# Altium PCB 3LUN_v1.0.PcbDoc (part 1 of 2)
Units mil, origin at the board's own origin, x right, y up, seen from the top; angles counter-clockwise.
Board outline 3940 x 1580 mil, 2 copper layers (Top Layer, Bottom Layer); 129 components, 109 nets, 549 pads, 348 vias.
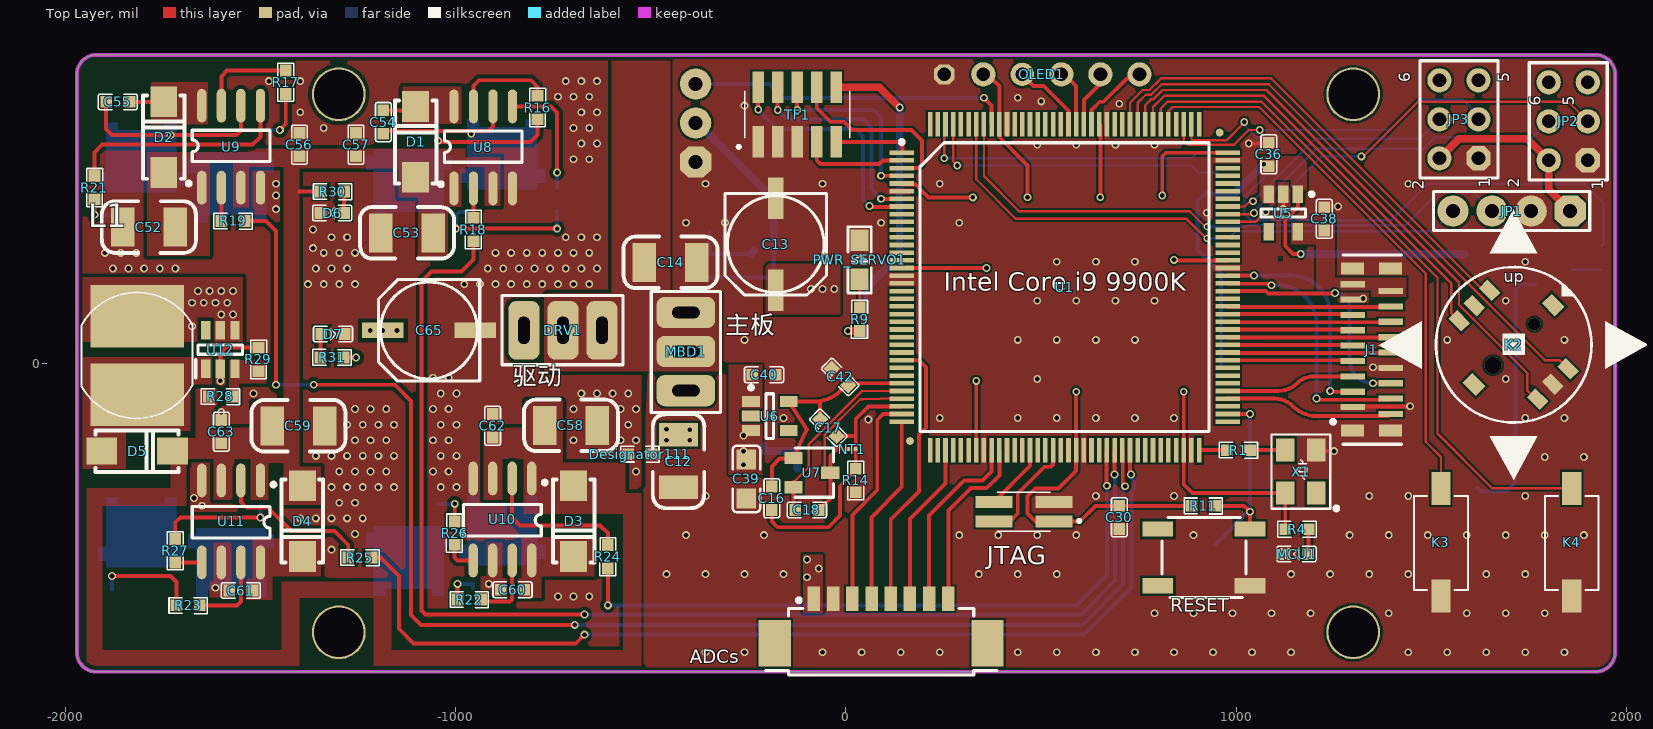
[diagram p0: Top Layer view]
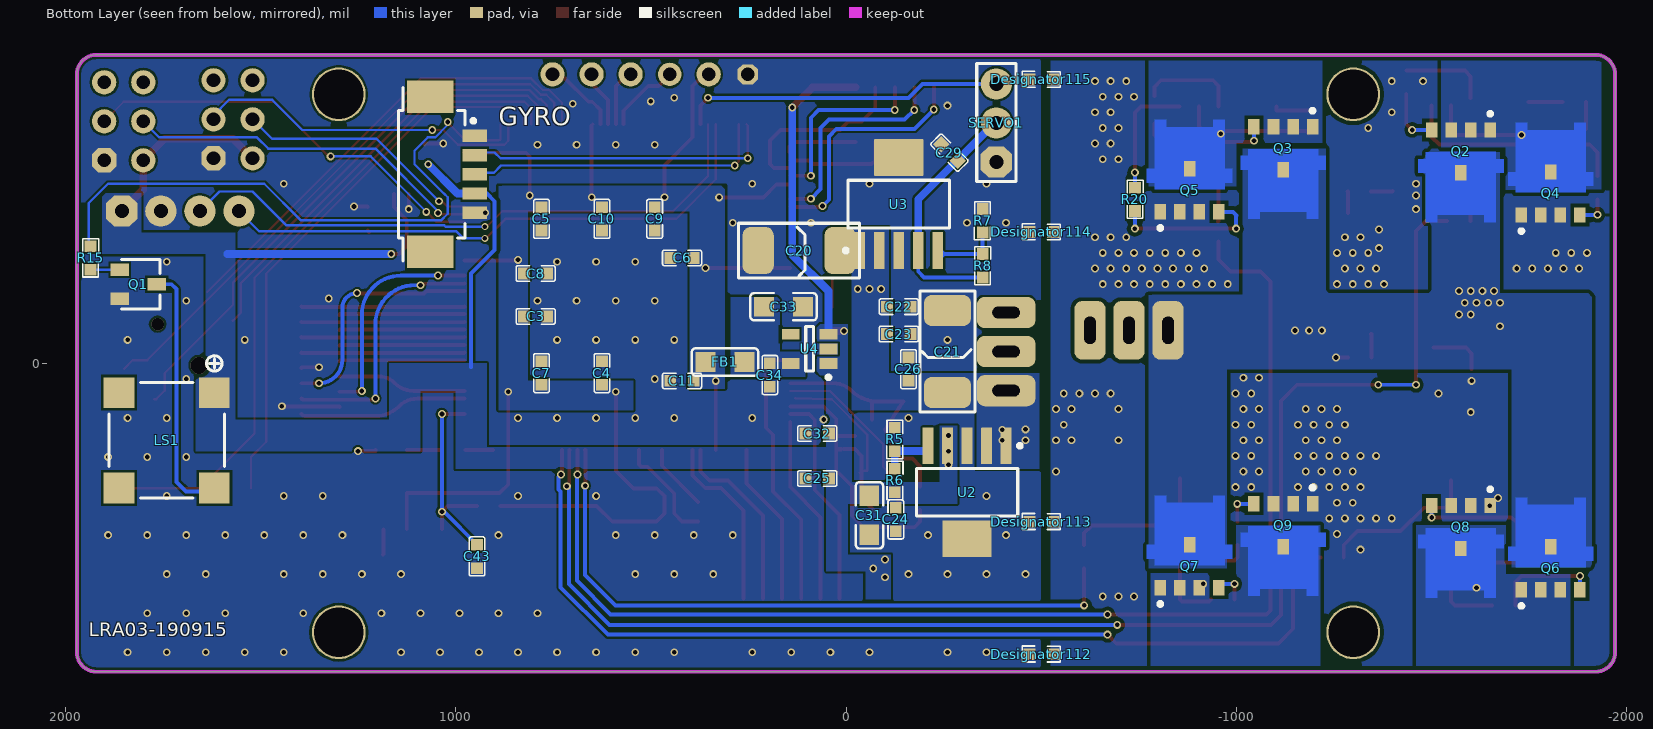
[diagram p1: Bottom Layer view, seen from below]
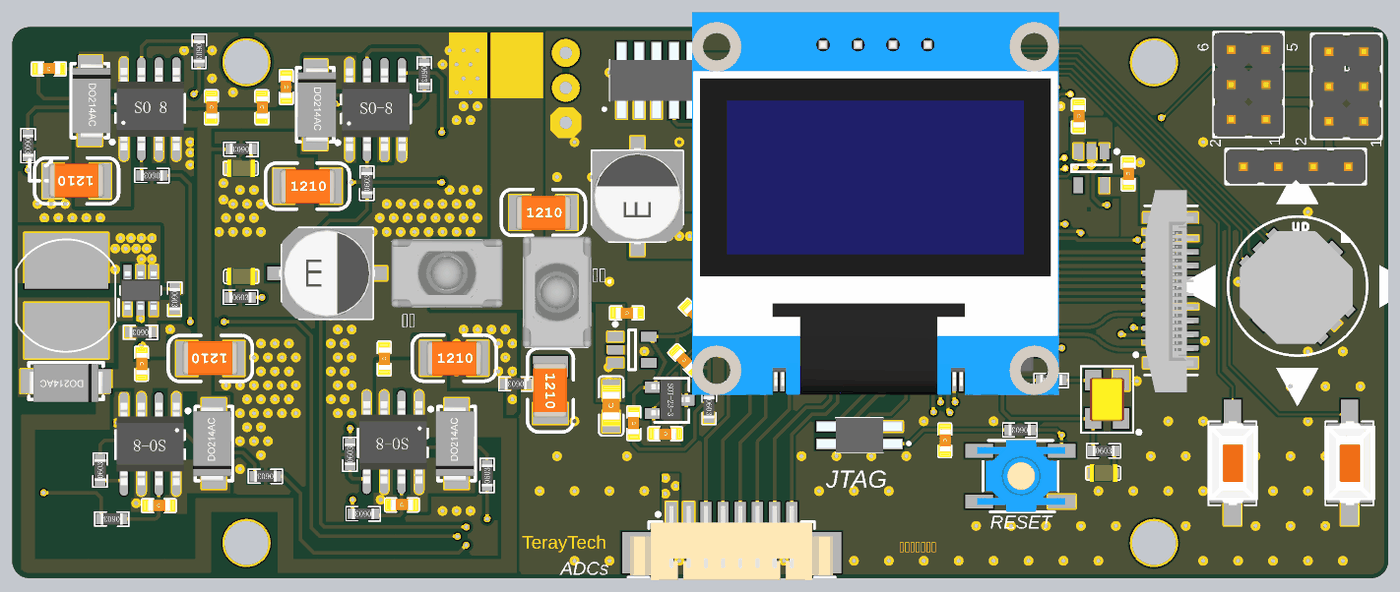
[diagram p3: 3D render of the assembled board from above, using the file's embedded part models]
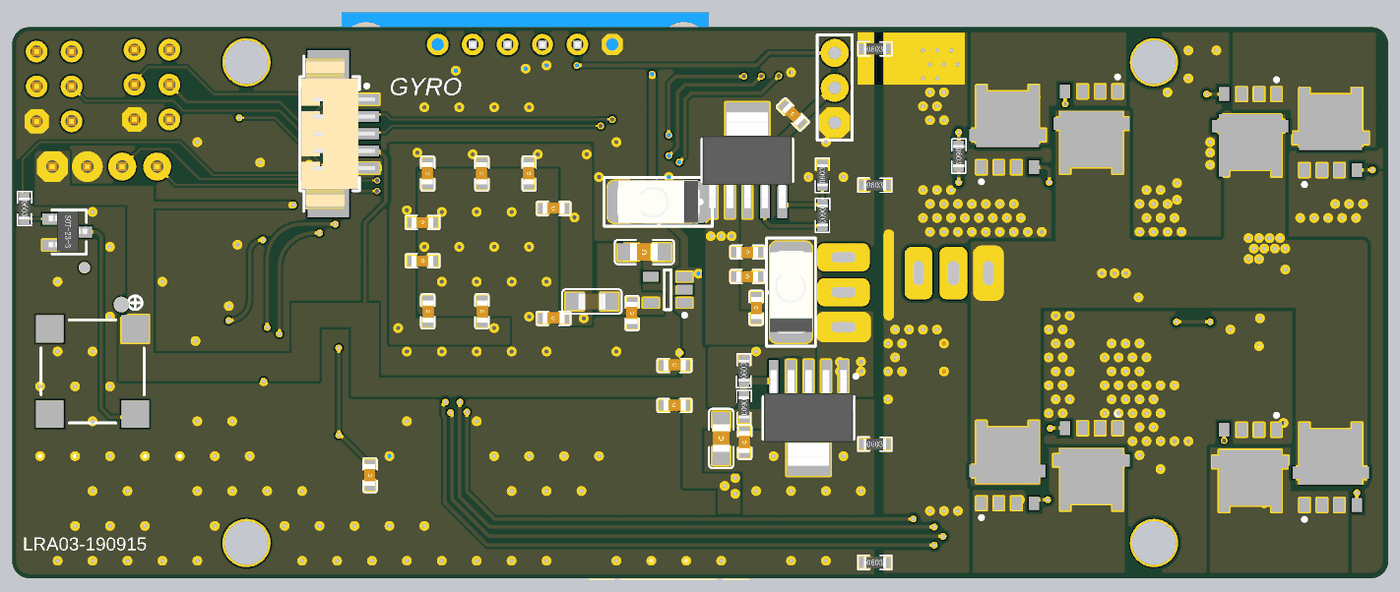
[diagram p4: 3D render of the assembled board from below, using the file's embedded part models]

## Layer stack, top to bottom
Top Solder: solder mask 0.4, Solder Resist, Dk 3.5
Top Layer: signal copper 1.4
Dielectric 1: dielectric 12.6, FR-4, Dk 4.8
Bottom Layer: signal copper 1.4
Bottom Solder: solder mask 0.4, Solder Resist, Dk 3.5

## Board outline
-1970,-740 -1970,740 cw(c-1920,740) -1920,790 1920,790 cw(c1920,740) 1970,740 1970,-740 cw(c1920,-740) 1920,-790 -1920,-790 cw(c-1920,-740)

## Design rules (kind name [scope] priority, off if disabled: settings)
Clearance "Schematic Clearance Constraint" [InNetClass('CL_CMOS')] p1: gap=6 ignorepadtopadclearanceinfootprint=FALSE except(0: Arc-Hole Track-Hole SMDPad-Hole THPad-Hole Via-Hole Fill-Hole Poly-Hole Region-Hole Text-Hole)
Clearance [All] p2: gap=6 ignorepadtopadclearanceinfootprint=FALSE except(0: Arc-Hole Track-Hole SMDPad-Hole THPad-Hole Via-Hole Fill-Hole Poly-Hole Region-Hole Text-Hole; 10: Arc-Fill Arc-Poly Arc-Region Track-Fill Track-Poly Track-Region SMDPad-Fill SMDPad-Poly SMDPad-Region THPad-Fill THPad-Poly THPad-Region Via-Fill Via-Poly Via-Region Fill-Fill Fill-Poly Fill-Region Poly-Poly Poly-Region Region-Region)
PolygonConnect "Schematic Polygon Connect Style" [InNetClass('CL_CMOS')] p1: connectstyle=Direct reliefconductorwidth=10 reliefentries=4 polygonreliefangle="45 Angle" airgapwidth=10
PolygonConnect [All] p2: connectstyle=Direct reliefconductorwidth=10 reliefentries=4 polygonreliefangle="90 Angle" airgapwidth=10
RoutingVias "Schematic Routing Via Style" [InNetClass('CL_CMOS')] p1: holewidth=12 width=20 viastyle="Through Hole" minholewidth=12 minwidth=20 maxholewidth=28 maxwidth=50
RoutingVias "Schematic Routing Via Style_13" [InNet('Y0')] p2: holewidth=12 width=20 viastyle="Through Hole" minholewidth=12 minwidth=20 maxholewidth=28 maxwidth=50
RoutingVias "Schematic Routing Via Style_12" [InNet('HREF')] p3: holewidth=12 width=20 viastyle="Through Hole" minholewidth=12 minwidth=20 maxholewidth=28 maxwidth=50
RoutingVias "Schematic Routing Via Style_11" [InNet('PLCK')] p4: holewidth=12 width=20 viastyle="Through Hole" minholewidth=12 minwidth=20 maxholewidth=28 maxwidth=50
RoutingVias "Schematic Routing Via Style_10" [InNet('SCL')] p5: holewidth=12 width=20 viastyle="Through Hole" minholewidth=12 minwidth=20 maxholewidth=28 maxwidth=50
RoutingVias "Schematic Routing Via Style_9" [InNet('SDA')] p6: holewidth=12 width=20 viastyle="Through Hole" minholewidth=12 minwidth=20 maxholewidth=28 maxwidth=50
RoutingVias "Schematic Routing Via Style_8" [InNet('VSYN')] p7: holewidth=12 width=20 viastyle="Through Hole" minholewidth=12 minwidth=20 maxholewidth=28 maxwidth=50
RoutingVias "Schematic Routing Via Style_7" [InNet('Y1')] p8: holewidth=12 width=20 viastyle="Through Hole" minholewidth=12 minwidth=20 maxholewidth=28 maxwidth=50
RoutingVias "Schematic Routing Via Style_6" [InNet('Y2')] p9: holewidth=12 width=20 viastyle="Through Hole" minholewidth=12 minwidth=20 maxholewidth=28 maxwidth=50
RoutingVias "Schematic Routing Via Style_5" [InNet('Y3')] p10: holewidth=12 width=20 viastyle="Through Hole" minholewidth=12 minwidth=20 maxholewidth=28 maxwidth=50
RoutingVias "Schematic Routing Via Style_4" [InNet('Y4')] p11: holewidth=12 width=20 viastyle="Through Hole" minholewidth=12 minwidth=20 maxholewidth=28 maxwidth=50
RoutingVias "Schematic Routing Via Style_3" [InNet('Y5')] p12: holewidth=12 width=20 viastyle="Through Hole" minholewidth=12 minwidth=20 maxholewidth=28 maxwidth=50
RoutingVias "Schematic Routing Via Style_2" [InNet('Y6')] p13: holewidth=12 width=20 viastyle="Through Hole" minholewidth=12 minwidth=20 maxholewidth=28 maxwidth=50
RoutingVias "Schematic Routing Via Style_1" [InNet('Y7')] p14: holewidth=12 width=20 viastyle="Through Hole" minholewidth=12 minwidth=20 maxholewidth=28 maxwidth=50
RoutingVias [All] p15: holewidth=12 width=20 viastyle="Through Hole" minholewidth=12 minwidth=20 maxholewidth=28 maxwidth=50
SolderMaskExpansion [All] p1: expansion=4
Width [All] p1: maxlimit=20 minlimit=6 preferedwidth=10 minimp=50.000000 maximp=50.000000 favimp=50.000000
30 further rules are at their usual default settings.

## Classes and differential pairs
component class bridge: C52 C53 C54 C55 C56 C57 C58 C59 C60 C61 C62 C63 C65 D1 D2 D3 D4 D5 D6 D7 L1 Q2 Q3 Q4 Q5 Q6 Q7 Q8 Q9 R16 R17 R18 R19 R20 R21 R22 R23 R24 R25 R26 R27 R28 R29 R30 R31 U8 U9 U10 U11 U12
component class zhili_v1.0: ADCs C3 C4 C5 C6 C7 C8 C9 C10 C11 C12 C13 C14 C20 C21 C22 C23 C24 C25 C26 C29 C30 C31 C32 C33 C34 C36 C38 C39 C40 C42 C43 DRV1 FB1 GYRO J1 JP1 JP2 JP3 JTAG K2 K3 K4 LS1 MBD1 MCU1 NT1 OLED1 PWR_SERVO1 Q1 R1 R4 R5 R6 R7 R8 R9 R11 R14 R15 RESET SERVO1 TF1 U1 U2 U3 U4 U5 U6 U7 X1
net class CL_CMOS: CMOS_PWR_BUS GND HREF PLCK SCL SDA VSYN Y0 Y1 Y2 Y3 Y4 Y5 Y6 Y7

## Components (designator, comment, footprint, x,y, rotation, side; value= is the part's Value field where it differs from the comment)
ADCs "HEADER-8PIN" HEADER_8P_1.25_RT 90,-713.23 r0 top (schematic designator ADCs1)
C3 "1uF" 0603_C 795,120 r0 bottom value=104
C4 "1uF" 0603_C 625,-25 r270 bottom value=104
C5 "1uF" 0603_C 780,370 r90 bottom value=104
C6 "1uF" 0603_C 420,270 r180 bottom value=104
C7 "1uF" 0603_C 780,-25 r270 bottom value=104
C8 "1uF" 0603_C 795,230 r0 bottom value=104
C9 "1uF" 0603_C 490,370 r90 bottom value=104
C10 "1uF" 0603_C 625,370 r90 bottom value=104
C11 "1uF" 0603_C 420,-45 r180 bottom value=104
C12 "100uF" C1210 -435,-245 r270 top
C13 "100uF" C6.3X6.3 -180,305 r90 top
C14 "100uF" C1210 -455,252.52 r0 top
C16 "1uF" 0603_C -190,-345.58 r90 top value=104
C17 "1uF" 0603_C -45,-165 r135 top value=104
C18 "1uF" 0603_C -100,-375.58 r180 top value=104
C20 "1uF" CAPC6032C 185,288.86 r0 bottom value=104
C21 "1uF" CAPC6032C -260,95 r90 bottom value=104
C22 "1uF" 0603_C -135,145 r0 bottom value=104
C23 "1uF" 0603_C -135,75 r0 bottom value=104
C24 "1uF" 0603_C -127.5,-400 r90 bottom value=104
C25 "1uF" 0603_C 73.64,-295 r180 bottom value=104
C26 "1uF" 0603_C -160,-15 r270 bottom value=104
C29 "1uF" 0603_C -265,539.67 r225 bottom value=104
C30 "1uF" 0603_C 700,-394.61 r270 top value=104
C31 "1uF" 0805_c -60,-434.37 r90 bottom value=104
C32 "1uF" 0603_C 73.64,-180 r180 bottom value=104
C33 "1uF" 0805_c 115,145 r0 bottom value=104
C34 "1uF" 0603_C 195,-30 r90 bottom value=104
C36 "1uF" 0603_C 1082.9,535 r270 top value=104
C38 "1uF" 0603_C 1225,370 r270 top value=104
C39 "1uF" 0805_c -255,-341.16 r90 top value=104
C40 "1uF" 0603_C -210,-29.34 r180 top value=104
C42 "1uF" 0603_C -15,-35 r315 top value=104
C43 "1uF" 0603_C 945,-494.7 r90 bottom value=104
C52 "1uF" C1210 -1780,355 r180 top value=104
C53 "1uF" C1210 -1130,327.99 r0 top value=104
C54 "1uF" 0603_C -1185.12,617.99 r90 top value=104
C55 "1uF" 0603_C -1865,669.7 r0 top value=104
C56 "1uF" 0603_C -1400,560 r270 top value=104
C57 "1uF" 0603_C -1255,560 r270 top value=104
C58 "1uF" C1210 -710,-165 r0 top value=104
C59 "1uF" C1210 -1397,-154 r180 top value=104
C60 "1uF" 0603_C -854.21,-580 r0 top value=104
C61 "1uF" 0603_C -1550,-582.03 r0 top value=104
C62 "1uF" 0603_C -905,-160 r270 top value=104
C63 "1uF" 0603_C -1600,-175 r270 top value=104
C65 "1uF" C6.3X6.3 -1068.06,84.21 r0 top
D1 "Diode Schottky" DO-214AC -1105,562.99 r90 top
D2 "Diode Schottky" DO-214AC -1750,575 r90 top
D3 "Diode Schottky" DO-214AC -695,-400 r270 top
D4 "Diode Schottky" DO-214AC -1390,-400 r270 top
D5 "Diode Schottky" DO-214AC -1820,-222.44 r0 top
D6 "LED" 0603_LED -1315,385 r180 top
D7 "LED" 0603_LED -1315,75 r0 top
Designator111 "Comment" 0603_R -528,-232.77 r180 top
Designator112 "Comment" 0603_R -500,-745.04 r180 bottom
Designator113 "Comment" 0603_R -500,-405.68 r180 bottom
Designator114 "Comment" 0603_R -500,336.51 r180 bottom
Designator115 "Comment" 0603_R -500,727.06 r180 bottom
DRV1 "Tolggle_swith" "TOGGLE SWICH STAND" -725,84.57 r180 top
FB1 "FB" 0805 265,3.36 r0 bottom
GYRO "HEADER-5PIN" HEADER_5P_1.25_RT 1061.06,484.21 r270 bottom (schematic designator GYRO1)
J1 "FPC05-18" FPC_18_VER 1347.76,17.72 r270 top
JP1 "header" header4 1855,390 r180 top
JP2 "header" header2X3 1900,519.88 r90 top
JP3 "header" header2X3 1620,525 r90 top
JTAG "header" header_2x2_1.27 490,-380.12 r90 top (schematic designator JTAG1)
K2 "TSW_5" TSW-10 1710,47.24 r0 top
K3 "KEY" KEY_2 1540,-450 r270 top
K4 "KEY" KEY_2 1875,-450 r270 top
L1 "22uH" "L 100" -1815,100 r0 top
LS1 "KLJ-7525A" KLJ-7525A_V 1740,-197.17 r270 bottom
MBD1 "Tolggle_swith" "TOGGLE SWICH STAND" -410,30 r270 top
MCU1 "LED" 0603_LED 1155,-488.6 r180 top
NT1 "Net-Tie" Net-Tie_10mil 15,-220 r0 top net-tie
OLED1 "header" 0.96寸OLED模块 251.73,740 r0 top locked
PWR_SERVO1 "LED" 0805_LED 35,265 r90 top
Q1 "NPN2" SOT-23-3 1770.51,289.29 r270 bottom
Q2 "AON-MOS" so-8 -1575,487.68 r270 bottom
Q3 "AON-MOS" so-8 -1120,495.67 r270 bottom
Q4 "AON-MOS" so-8 -1805,490 r90 bottom
Q5 "AON-MOS" so-8 -880,497.99 r90 bottom
Q6 "AON-MOS" so-8 -1805,-470 r90 bottom
Q7 "AON-MOS" so-8 -880,-465 r90 bottom
Q8 "AON-MOS" so-8 -1575,-474.25 r270 bottom
Q9 "AON-MOS" so-8 -1120,-470 r270 bottom
R1 "50R" 0603_R 1005,-222.44 r180 top value=1K
R4 "330" 0603_R 1155,-425 r0 top value=1K
R5 "1.5K" 0603_R -125,-195 r90 bottom value=1K
R6 "4.7K" 0603_R -125,-300 r270 bottom value=1K
R7 "1.2K" 0603_R -350,365 r90 bottom value=1K
R8 "4.7K" 0603_R -350,250 r270 bottom value=1K
R9 "330" 0603_R 35,112.99 r90 top value=1K
R11 "10K" 0603_R 915,-365 r180 top value=1K
R14 "0" 0603_R 25,-300 r270 top value=1K
R15 "1K" 0603_R 1935,270 r270 bottom
R16 "10" 0603_R -790,655 r270 top value=1K
R17 "10" 0603_R -1435,720 r270 top value=1K
R18 "0" 0603_R -954.21,342.52 r90 top value=1K
R19 "0" 0603_R -1570,364.7 r180 top value=1K
R20 "10" 0603_R -740,420 r270 bottom value=1K
R21 "10" 0603_R -1925,450 r270 top value=1K
R22 "10" 0603_R -965,-605 r180 top value=1K
R23 "10" 0603_R -1685,-620 r180 top value=1K
R24 "0" 0603_R -610,-495.41 r90 top value=1K
R25 "0" 0603_R -1245,-497.5 r180 top value=1K
R26 "10" 0603_R -1002.5,-435 r90 top value=1K
R27 "10" 0603_R -1718,-480 r90 top value=1K
R28 "173K" 0603_R -1602.5,-85 r180 top value=1K
R29 "10K" 0603_R -1505,10 r270 top value=1K
R30 "5K" 0603_R -1315,440 r180 top value=1K
R31 "1K" 0603_R -1316.4,15 r0 top
RESET "KEY_4" KEY5*5 1034.92,-570 r180 top (schematic designator K1)
SERVO1 "header" header3 -385,515.73 r90 bottom
TF1 "header" 2002132100010C4LF -125,637.18 r180 top locked
U1 "MK60" LQFP144 560,194.88 r0 top locked
U2 "TL1963ADCQR" DCQ0006A_M -310,-330.28 r270 bottom
U3 "TL1963ADCQR" DCQ0006A_M -135,407.95 r90 bottom
U4 "ADP150AUJZ-3.3-R7" ADI-UJ-5_M 93.23,36.97 r0 bottom
U5 "ADP150AUJZ-3.3-R7" ADI-UJ-5_M 1120,385 r270 top
U6 "ADP150AUJZ-3.3-R7" ADI-UJ-5_M -195,-135 r0 top
U7 "REF3033" SOT-23-3 -45,-193.11 r270 top value=Value
U8 "IR2104" SOIC-8 -929.21,552.99 r90 top
U9 "IR2104" SOIC-8 -1575,555 r90 top
U10 "IR2104" SOIC-8 -880,-400 r270 top
U11 "IR2104" SOIC-8 -1575,-405 r270 top
U12 "MT3608" SOT95P280X145-6N -1602.5,35 r90 top
X1 "XTAL" OSC_KH3225_4P 1120,-212.44 r90 top

## Footprints (in the part's own frame and the unit in brackets; to place one, negate y for a bottom-side part, rotate by r counter-clockwise, add the part's x,y. Pads: shape width x height; smd on the part's side, far side on the other; paste and mask are expansions set on the pad)
0.96寸OLED模块 [mil]
  oct 52x52 hole 35: 1(0,0)
  round 62 hole 35: 2(100,0) 4(300,0) 5(400,0) 6(500,0)
  round 60 hole 35: 3(200,0)
  body extent -276,-1005 776,92, height 398
0603_C [mil] "Capacitor"
  rect 30x30 smd: 1(-30,0) 2(30,0)
  silkscreen extent -50,-20 50,20, body extent -51,-18 52,21, height 35
0603_LED [mil]
  rect 30x30 smd: 1(-29,0) 2(31,0)
  silkscreen extent -49,-20 51,20, body extent -40,-25 40,25, height 43
0603_R [mil]
  rect 30x30 smd: 1(-30,0) 2(30,0)
  silkscreen extent -49,-20 49,21, body extent -32,-16 31,16, height 18
0805 [mil]
  rect 52x50 smd: 1(-5,0) 2(95,0)
  silkscreen extent -40,-35 130,35, body extent 6,-24 84,24, height 37
0805_c [mil]
  rect 52x50 smd: 1(-5,0) 2(95,0)
  silkscreen extent -40,-35 130,35, body extent -13,-28 105,28, height 37
0805_LED [mil]
  rect 55.12x46 smd: 1(-50,0) 2(50,0)
  silkscreen extent -85,-30 85,30, body extent -40,-25 40,25, height 43
2002132100010C4LF [mm]
  rect 0.76x2.05 smd: 1(2.54,1.775) 2(2.54,-1.775) 3(1.27,1.775) 4(1.27,-1.775) 5(0,1.775) 6(0,-1.775) 7(-1.27,1.775) 8(-1.27,-1.775) 9(-2.54,1.775) 10(-2.54,-1.775)
  silkscreen extent -3.4,-1.5 3.9,2.2, body extent -3.4,-2.72 3.4,2.72, height 4.85
ADI-UJ-5_M [mm] "SOT23, 5-Leads, Body 2.9x1.6mm, Pitch 0.95mm, IPC Low Density"
  rect 1.15x0.7 smd: 1(-1.225,0.95) 2(-1.225,0) 3(-1.225,-0.95) 4(1.225,-0.95) 5(1.225,0.95)
  silkscreen extent -1.35,-1.45 0.25,1.97, body extent -0.8,-1.45 0.8,1.45, height 1
C6.3X6.3 [mm]
  rect 2.7x1 smd: 1(-3,0) 2(3,0)
  silkscreen extent -3.3,-3.3 3.3,3.3, body extent -3.5,-3.3 3.5,3.3, height 5.2
C1210 [mil]
  rect 60x100 smd: 1(-62,6) 2(73,6)
  silkscreen extent -115,-60 126,72, body extent -73,-44 85,54, height 67
CAPC6032C [mil]
  rrect50% 80x120 smd: 1(-170,0) 2(40,0)
  silkscreen extent -220,-70 90,70, body extent -183,-63 53,63, height 102
DCQ0006A_M [mm] "SOT223, 6-Leads, Body 6.55x3.55mm, Pitch 1.27mm, IPC Low Density"
  rrect14% 2.4x0.7 smd: 1(-3.025,2.54) 2(-3.025,1.27) 3(-3.025,0) 4(-3.025,-1.27) 5(-3.025,-2.54)
  rrect4% 2.4x3.2 smd: 6(3.025,0)
  silkscreen extent -3.15,-3.3 1.55,3.56, body extent -3.48,-3.25 3.48,3.25, height 1.64
DO-214AC [mm]
  rect 2x1.75 smd: 1(-2.195,-0.063) 2(2.405,-0.063)
  silkscreen extent -2.59,-1.41 2.81,1.29, body extent -2.64,-1.59 2.85,1.21, height 2.3
FPC_18_VER [mm] "FFC & FPC连接器 .5MM FFC/FPC CONN 18CKT 52559-1853 Molex"
  rect 0.8x1.5 smd: 0(-5.715,-1.27) 0(-5.715,1.2) 0(4.826,-1.27) 0(4.826,1.2)
  rect 0.4x1.6 smd: 1(3.75,1.2) 2(3.302,-1.27) 3(2.75,1.2) 4(2.302,-1.27) 5(1.75,1.2) 6(1.302,-1.27) 7(0.75,1.2) 8(0.302,-1.27) 9(-0.25,1.2) 10(-0.698,-1.27) 11(-1.25,1.2) 12(-1.698,-1.27) 13(-2.25,1.2) 14(-2.698,-1.27) 15(-3.25,1.2) 16(-3.698,-1.27) 17(-4.25,1.2) 18(-4.698,-1.27)
  silkscreen extent -6.6,-2.67 5.71,1.91, body extent -7.73,-1.85 6.97,1.65, height 5.3
header2X3 [mil]
  oct 62x62 hole 35: 1(0,0)
  round 62 hole 35: 2(0,100) 3(100,0) 4(100,100) 5(200,0) 6(200,100)
  silkscreen extent -50,-50 250,150, body extent -50,-50 250,150, height 398
header3 [mil]
  oct 80x80 hole 36: 1(0,0)
  round 80 hole 36: 2(100,0) 3(200,0)
  silkscreen extent -50,-50 252,50
header4 [mil]
  oct 80x80 hole 36: 1(0,0)
  round 80 hole 36: 2(100,0) 3(200,0) 4(300,0)
  silkscreen extent -50,-50 350,50, body extent -50,-50 350,50, height 398
header_2x2_1.27 [mm]
  rect 0.76x2.4 smd: 1(-0.635,-1.075) 2(-0.635,2.825) 3(0.635,-1.075) 4(0.635,2.825)
  silkscreen extent -1.27,-2.82 1.27,2.59, body extent -1.27,-2.2 1.27,3.95, height 5.1
HEADER_5P_1.25_RT [mm]
  rect 0.81x1.6 smd: 1(-2.5,2.8) 2(-1.25,2.8) 3(0,2.8) 4(1.25,2.8) 5(2.5,2.8)
  rect 2.1x3 smd: MP1(-5.05,-0.1) MP2(5.05,-0.1)
  silkscreen extent -5.65,-2.17 5.65,2.82, body extent -5.5,-2.1 5.5,3.3, height 3.4
HEADER_8P_1.25_RT [mm]
  rect 0.81x1.6 smd: 1(-4.375,2.8) 2(-3.125,2.8) 3(-1.875,2.8) 4(-0.625,2.8) 5(0.625,2.8) 6(1.875,2.8) 7(3.125,2.8) 8(4.375,2.8)
  rect 2.1x3 smd: MP1(-6.925,-0.1) MP2(6.925,-0.1)
  silkscreen extent -7.52,-2.17 7.52,2.82, body extent -7.38,-2.1 7.38,3.3, height 3.4
KEY5*5 [mm]
  rect 2x1 smd: 1(0,0) 2(0,-3.7) 3(6,-3.7) 4(6,0)
  silkscreen extent 0.25,-4.45 5.71,0.76, body extent -0.25,-4.45 6.15,0.75, height 1.5
KEY_2 [mil] "贴片"
  rect 85x49.37 smd: 1(-129.57,-16.14) 2(146.02,-16.14)
  silkscreen extent -110,-85 130,53, body extent -110,-88 130,58
KLJ-7525A_V [mm] "SMD, 4-Leads, Body 7.5x7.5mm, Pitch 6.2mm"
  rect 2x2 smd: 1(-3.1,3.1) 2(3.1,3.1) 3(3.1,-3.1) 4(-3.1,-3.1)
  silkscreen extent -5.5,-3.75 3.75,3.75, body extent -3.75,-3.75 3.75,3.75, height 2.5
"L 100" [mil]
  rect 240x160 smd: 1(0,20) 2(0,-180)
  silkscreen extent -143,-241 141,81
LQFP144 [mm]
  rect 1.6x0.3 smd: 1(-10.6,8.75) 2(-10.6,8.25) 3(-10.6,7.75) 4(-10.6,7.25) 5(-10.6,6.75) 6(-10.6,6.25) 7(-10.6,5.75) 8(-10.6,5.25) 9(-10.6,4.75) 10(-10.6,4.25) 11(-10.6,3.75) 12(-10.6,3.25) 13(-10.6,2.75) 14(-10.6,2.25) 15(-10.6,1.75) 16(-10.6,1.25) 17(-10.6,0.75) 18(-10.6,0.25) 19(-10.6,-0.25) 20(-10.6,-0.75) 21(-10.6,-1.25) 22(-10.6,-1.75) 23(-10.6,-2.25) 24(-10.6,-2.75) 25(-10.6,-3.25) 26(-10.6,-3.75) 27(-10.6,-4.25) 28(-10.6,-4.75) 29(-10.6,-5.25) 30(-10.6,-5.75) 31(-10.6,-6.25) 32(-10.6,-6.75) 33(-10.6,-7.25) 34(-10.6,-7.75) 35(-10.6,-8.25) 36(-10.6,-8.75) 73(10.6,-8.75) 74(10.6,-8.25) 75(10.6,-7.75) 76(10.6,-7.25) 77(10.6,-6.75) 78(10.6,-6.25) 79(10.6,-5.75) 80(10.6,-5.25) 81(10.6,-4.75) 82(10.6,-4.25) 83(10.6,-3.75) 84(10.6,-3.25) 85(10.6,-2.75) 86(10.6,-2.25) 87(10.6,-1.75) 88(10.6,-1.25) 89(10.6,-0.75) 90(10.6,-0.25) 91(10.6,0.25) 92(10.6,0.75) 93(10.6,1.25) 94(10.6,1.75) 95(10.6,2.25) 96(10.6,2.75) 97(10.6,3.25) 98(10.6,3.75) 99(10.6,4.25) 100(10.6,4.75) 101(10.6,5.25) 102(10.6,5.75) 103(10.6,6.25) 104(10.6,6.75) 105(10.6,7.25) 106(10.6,7.75) 107(10.6,8.25) 108(10.6,8.75)
  round 0.508 smd: 6(10.084,10.058) 7(-10.058,-10.008)
  rect 0.3x1.6 smd: 37(-8.75,-10.6) 38(-8.25,-10.6) 39(-7.75,-10.6) 40(-7.25,-10.6) 41(-6.75,-10.6) 42(-6.25,-10.6) 43(-5.75,-10.6) 44(-5.25,-10.6) 45(-4.75,-10.6) 46(-4.25,-10.6) 47(-3.75,-10.6) 48(-3.25,-10.6) 49(-2.75,-10.6) 50(-2.25,-10.6) 51(-1.75,-10.6) 52(-1.25,-10.6) 53(-0.75,-10.6) 54(-0.25,-10.6) 55(0.25,-10.6) 56(0.75,-10.6) 57(1.25,-10.6) 58(1.75,-10.6) 59(2.25,-10.6) 60(2.75,-10.6) 61(3.25,-10.6) 62(3.75,-10.6) 63(4.25,-10.6) 64(4.75,-10.6) 65(5.25,-10.6) 66(5.75,-10.6) 67(6.25,-10.6) 68(6.75,-10.6) 69(7.25,-10.6) 70(7.75,-10.6) 71(8.25,-10.6) 72(8.75,-10.6) 109(8.75,10.6) 110(8.25,10.6) 111(7.75,10.6) 112(7.25,10.6) 113(6.75,10.6) 114(6.25,10.6) 115(5.75,10.6) 116(5.25,10.6) 117(4.75,10.6) 118(4.25,10.6) 119(3.75,10.6) 120(3.25,10.6) 121(2.75,10.6) 122(2.25,10.6) 123(1.75,10.6) 124(1.25,10.6) 125(0.75,10.6) 126(0.25,10.6) 127(-0.25,10.6) 128(-0.75,10.6) 129(-1.25,10.6) 130(-1.75,10.6) 131(-2.25,10.6) 132(-2.75,10.6) 133(-3.25,10.6) 134(-3.75,10.6) 135(-4.25,10.6) 136(-4.75,10.6) 137(-5.25,10.6) 138(-5.75,10.6) 139(-6.25,10.6) 140(-6.75,10.6) 141(-7.25,10.6) 142(-7.75,10.6) 143(-8.25,10.6) 144(-8.75,10.6)
  silkscreen extent -10.72,-9.4 9.4,9.57, body extent -10.98,-11.01 11.03,11.01, height 1.1
Net-Tie_10mil [mil] "10mil net tie, no solder mask opening, no solder paste"
  rect 10x10 smd paste-5 mask-5: 1(-10,0) 2(10,0)
  Top Layer region: -6,5 6,5 6,-5 -6,-5
OSC_KH3225_4P [mil]
  rect 59.06x47.24 smd: 1(-120,-85) 2(-10,-85) 3(-10,-5) 4(-120,-5)
  silkscreen extent -164,-141 30,30, body extent -128,-94 -2,4, height 31
so-8 [mm] "MOS"
  rect 1x0.75 smd: 1(-2.795,1.905) 2(-2.795,0.635) 3(-2.795,-0.635) 4(-2.795,-1.905)
  rect 1x0.75 smd paste+0 mask+0: 5(0,0)
  Top Layer region: -0.905,-2.775 -0.905,-2.28 -1.33,-2.28 -1.33,2.28 -0.905,2.28 -0.905,2.775 0,2.775 0,2.28 3.2,2.28 3.2,1.53 2.725,1.53 2.725,-1.53 3.2,-1.53 3.2,-2.28 0,-2.28 0,-2.775
  silkscreen extent -3.97,1.78 -3.72,2.03, body extent -2.95,-2.45 2.95,2.45, height 1.1
SOIC-8 [mm]
  oval 2.2x0.6 smd: 1(-2.667,1.905) 2(-2.667,0.635) 3(-2.667,-0.635) 4(-2.667,-1.905) 5(2.667,-1.905) 6(2.667,-0.635) 7(2.667,0.635) 8(2.667,1.905)
  silkscreen extent -2.52,-2.53 1.07,2.88, body extent -3,-2.45 3,2.45, height 1.7
SOT95P280X145-6N [mm]
  rect 1.2x0.6 smd: 1(-1.25,0.95) 2(-1.25,0) 3(-1.25,-0.95) 4(1.25,-0.95) 5(1.25,0) 6(1.25,0.95)
  silkscreen extent -1.85,-1.45 0.3,1.6, body extent -1.4,-1.45 1.4,1.45, height 1.45
SOT-23-3 [mm]
  rect 0.8x1.2 smd: 1(1.257,-2.273) 2(3.157,-2.273) 3(2.207,0.127)
  silkscreen extent 0.61,-2.17 3.81,0.33, body extent 0.71,-2.42 3.61,0.38
"TOGGLE SWICH STAND" [mil]
  rrect50% 80x150 hole 30 slot 70 at 90 deg: 1(-100,0) 2(0,0) 3(100,0)
  silkscreen extent -154,-89 156,88, body extent -159,-98 159,98, height 780
TSW-10 [mm]
  rect 1.2x0.9 smd rot 135: 0(-2.575,-2.575) 0(2.587,2.587)
  rect 1.2x0.8 smd rot 135: 1(-1.56,3.54) 2(-2.55,2.55) 3(-3.54,1.56) 4(1.56,-3.54) 5(2.55,-2.55) 6(3.54,-1.56)
  silkscreen extent -8.79,-8.76 8.77,8.79, body extent -5.6,-5.61 5.43,5.42, height 4.5

## Part data
C3 C4 C5 C6 C7 C8 C9 C10 C11 C16 C17 C18 C22 C23 C24 C25 C26 C29 C30 C31 C32 C33 C34 C36 C38 C39 C40 C42 C43 C52 C53 C54 C55 C56 C57 C58 C59 C60 C61 C62 C63: library part CAP, "Capacitor", LatestRevisionDate=17-Jul-2002, LatestRevisionNote="Re-released for DXP Platform.", PackageReference=RAD-0.3, Published=8-Jun-2000, Publisher="Altium Limited"
C12 C13 C14: library part Cap_polar
C20 C21: library part CAP_tan, "Capacitor", LatestRevisionDate=17-Jul-2002, LatestRevisionNote="Re-released for DXP Platform.", PackageReference=RAD-0.3, Published=8-Jun-2000, Publisher="Altium Limited"
C65: library part CAP1
D6 D7 MCU1 PWR_SERVO1: "LED 发光二极管"
FB1: "磁珠"
JP1: library part "HEADER 4"
JP2 JP3: library part "HEADER 3X2"
JTAG: library part "HEADER 2X2"
K2: "方向开关"
K3 K4: library part KEY_2, "Switch", LatestRevisionDate=17-Jul-2002, LatestRevisionNote="Re-released for DXP Platform.", PackageReference=SPST-2, Published=24-Mar-1999, Publisher="Altium Limited"
L1: library part L_Inductance
LS1: library part CMP-0642-00001-1, "Buzzer, 2731 Hz, 16 Ohm, 85 dB, 90 mA, 2.5 to 4.5 V, -20 to 60 degC, 7.5 x 7.5 x 2.5 mm SMD, RoHS, Tape and Reel", Coil Resistance="13 to 19 Ohm", Current Consumption (Max.)="90 mA at Rated Voltage", Manufacturer=KaiLiJin, Operating Temperature="-20 to 60 degC", Operating Voltage="2.5 to 4.5 V", Oscillation Frequency="2731 Hz", Rated Voltage="3.6 V", Sound Pressure Level at 10 cm at Rated Voltage (Min.)="85 dB", ComponentLink1Description="Manufacturer URL", ComponentLink1URL=http://kailijin.cn/, ComponentLink2Description=Datasheet, ComponentLink2URL=http://kailijin.cn/en/view.asp?ClassLayer=59, Mounting Technology="Surface Mount", PackageDescription="SMD, Body 7.5 x 7.5 mm, Pitch 6.2 mm", PackageReference=KLJ-7525A, Packing="Tape and Reel", PartNumber=KLJ-7525A, RoHS=TRUE
NT1: "Single point connection between nets.", LatestRevisionDate=2015-10-18, LatestRevisionNote="Added Alternate PartNumber and Alternate Manufacturer parameters to appropriate components.", MountType=SMT, PackageReference=N/A, Publisher="Texas Instruments", SymbolCreator=codlsc, SymbolVersion=2009-07-01
OLED1: library part "HEADER 6"
Q1: "贴片"
Q2 Q3 Q4 Q5 Q6 Q7 Q8 Q9: library part N-MOS-so
R1 R4 R5 R6 R7 R8 R9 R11 R14 R15 R16 R17 R18 R19 R20 R21 R22 R23 R24 R25 R26 R27 R28 R29 R30 R31: library part RES, "Resistor", Published=8-Jun-2000, Publisher="Altium Limited", Revision="July-2002: Re-released for DXP Platform."
RESET: "Switch", LatestRevisionDate=17-Jul-2002, LatestRevisionNote="Re-released for DXP Platform.", PackageReference=SPST-2, Published=24-Mar-1999, Publisher="Altium Limited"
SERVO1: library part "HEADER 3"
TF1: library part "HEADER 5X2"
U2 U3: library part CMP-0395-00366-2, "Single Output Fast Transient Response LDO, 1.5 A, Adjustable 1.21 to 20 V Output, 2.1 to 20 V Input, 6-pin SOT-223 (DCQ), -40 to 125 degC, Green (RoHS & no Sb/Br)", Manufacturer="Texas Instruments", ComponentLink1Description="Manufacturer URL", ComponentLink1URL=http://www.ti.com/, ComponentLink2Description=Datasheet, ComponentLink2URL=http://www.ti.com/general/docs/lit/getliterature.tsp?genericPartNumber=TL1963A&fileType=pdf, ComponentLink3Description="Package Specification", ComponentLink3URL=http://www.ti.com/litv/pdf/mpds098c, DatasheetVersion=SLVS719F, Eco-Plan="Green (RoHS & no Sb/Br)", Iout(Max)(A)=1.5, Iq(Typ)(mA)=1, Mounting Technology="Surface Mount", PackageDescription="6-Pin Plastic Small Outline, Body 3.5 x 6.5 mm, Pitch 1.27 mm", PackageReference=DCQ0006A, PackageVersion=4202109/D, PartNumber=TL1963ADCQR, SubFamily="Single Channel LDO", Vdo(Typ)(mV)=340, Vin(Max)(V)=20, Vin(Min)(V)=2.1, Vout Adj(Max)(V)=20, Vout Adj(Min)(V)=1.21
U4 U5 U6: library part CMP-0786-00394-1, "Ultralow Noise, 150 mA CMOS Linear Regulator, 2.2 to 5.5 V Vin, 3.3 V Vout, Industrial, 5-pin SOT23 (UJ-5), Reel", Manufacturer="Analog Devices", Preset Vout Values (V)=3.3, Supply Current IGND @ Small Load=10uA, Code_JEDEC=MO-193-AB, ComponentLink1Description="Manufacturer URL", ComponentLink1URL=http://www.analog.com/en/index.html, ComponentLink2Description=Datasheet, ComponentLink2URL=http://www.analog.com/static/imported-files/data_sheets/ADP150.pdf, ComponentLink3Description="Package Specification", ComponentLink3URL=http:/www.analog.com/static/imported-files/packages/PKG_PDF/TSOT(UJ)/UJ_5.pdf, ComponentLink4Description="URL Link1", ComponentLink4URL="Product URL:http://www.analog.com/en/ADP150/productSearch.html", DatasheetVersion="Rev. A", Iout max=150mA, Mounting Technology="Surface Mount", PackageDescription="5-Pin Thin Small Outline Transistor Package, Body 2.9 x 1.6 mm, Pitch 0.95 mm", PackageReference=UJ-5, PackageVersion="100708-A, 10/2008", Packing=Reel, PartNumber=ADP150AUJZ-3.3-R7, Vin (max) (V)=5.5, Vin (min) (V)=2.2
U7: library part REF3033_DBZ_3, "Imported", Manufacturer="Texas Instruments", Manufacturer_Part_Number=ref3033_dbz_3, PACKAGE_DESIGNATOR=DBZ, Datasheet URL=http://www.ti.com/lit/gpn/REF3033, FAMILY_NAME="SERIES VOLTAGE REFERENCE", GENERIC_PART_NUMBER=REF3033, INDUSTRY_STD_PKG_TYPE=SOT-23, PIN_COUNT=3, RefDes=RefDes, Type=DEV, Vendor="Texas Instruments"
U8 U9 U10 U11: "半桥驱动器"
U12: "Undefined or Miscellaneous", Manufacturer_Name=Aerosemi, Datasheet Link=https://www.olimex.com/Products/Breadboarding/BB-PWR-3608/resources/MT3608.pdf, Height=1.45mm, Manufacturer_Part_Number=MT3608
X1: library part XTAL_贴片

## Free pads (board coordinates)
  round 137.8 hole 125.98: 4(-1299.21,-688.98) 4(-1299.21,688.98) 4(1299.21,-688.98) 4(1299.21,688.98)

## Via types
v1: diameter 20, hole 12, Top Layer to Bottom Layer, 344 vias
v2: diameter 18, hole 12, Top Layer to Bottom Layer, 2 vias
v3: diameter 31.5, hole 31.5, Top Layer to Bottom Layer, 1 vias
v4: diameter 43.31, hole 43.31, Top Layer to Bottom Layer, 1 vias

## Nets (pads, with @x,y where several pads share a name; then routed paths per layer and width w, separated by ;. In a path a pad name is that pad's centre, name@x,y a point inside that pad or via, vN(x,y) a via of type N, cw(c..) or ccw(c..) an arc to the next point about the centre after c; other vN are vias at no path point)
12V: C52.1 C53.2 C56.2 C57.2 C58.1 C59.2 C62.2 C63.2 D1.1 D2.1 D3.1 D4.1 D5.2 R28.2 R30.2 U8.1 U8.3 U9.1 U9.3 U10.1 U10.3 U11.1 U11.3 | length 55.9
  Top Layer w10: -1400,440.94 -1400,440 R30.2@-1345,440
ADC1: ADCs.3 U1.35 | length 553.4
  Top Layer w10: ADCs.3@16.18,-602.99 16.18,-388.82 80,-325 80,-144.92 95,-129.92 U1.35@142.68,-129.92
ADC2: ADCs.4 U1.36 | length 485.4
  Top Layer w10: ADCs.4@65.39,-602.99 65.39,-394.61 142.68,-317.32 U1.36@142.68,-149.61
ADC3: ADCs.5 U1.28 | length 700.2
  Top Layer w10: ADCs.5@114.61,-602.99 114.61,-400.39 187.13,-327.87 187.13,-182.87 205,-165 205,-10 187.13,7.87 U1.28@142.68,7.87
ADC4: ADCs.6 U1.39 | length 418.3
  Top Layer w10: ADCs.6@163.82,-602.99 163.82,-398.53 254.88,-307.46 U1.39@254.88,-222.44
ADC5: ADCs.7 U1.45 | length 474.7
  Top Layer w10: ADCs.7@213.03,-602.99 213.03,-389.41 302.44,-300 350,-300 372.99,-277.01 U1.45@372.99,-222.44
ADC6: ADCs.8 U1.46 | length 458.3
  Top Layer w10: ADCs.8@262.24,-602.99 262.24,-377.34 320,-319.59 360.53,-319.59 392.68,-287.44 U1.46@392.68,-222.44
AGND: C52.2 C53.1 C56.1 C57.1 C58.2 C59.1 C62.1 C63.1 C65.2 D6.2 D7.2 Designator111.2 Designator112.2 Designator113.2 Designator114.2 Designator115.2 Q4.1 Q4.2 Q4.3 Q5.1 Q5.2 Q5.3 Q8.1 Q8.2 Q8.3 Q9.1 Q9.2 Q9.3 R29.1 U8.4 U9.4 U10.4 U11.4 U12.2 | length 143
  Top Layer w10: U12.2@-1602.5,-14.21 -1602.5,25.06 -1587.56,40 R29.1@-1505,40
  other v1: -737.79,-597.17 -697.79,-597.17 -657.79,-597.17 -1317.79,-477.17 -1257.79,-437.17 -1397.79,-397.17 -1357.79,-397.17 -1317.79,-397.17 -1277.79,-397.17 -1237.79,-397.17 -1649.29,-365 -1297.79,-357.17 -1257.79,-357.17 -1670,-345 -1317.79,-317.17 -1277.79,-317.17 -1237.79,-317.17 -1197.79,-317.17 -1157.79,-317.17 -1037.79,-317.17 -997.79,-317.17 -1297.79,-277.17 -1257.79,-277.17 -1217.79,-277.17 -1177.79,-277.17 -1057.79,-277.17 -1017.79,-277.17 -537.79,-277.17 -1357.79,-237.17 -1317.79,-237.17 -1277.79,-237.17 -1237.79,-237.17 -1197.79,-237.17 -1157.79,-237.17 -1037.79,-237.17 -997.79,-237.17 -1257.79,-197.17 -1217.79,-197.17 -1177.79,-197.17 -1057.79,-197.17 -1017.79,-197.17 -697.79,-197.17 -577.79,-197.17 -537.79,-197.17 -1277.79,-157.17 -1237.79,-157.17 -1197.79,-157.17 -1157.79,-157.17 -1037.79,-157.17 -997.79,-157.17 -557.79,-157.17 -1600,-125 -1257.79,-117.17 -1217.79,-117.17 -1177.79,-117.17 -1057.79,-117.17 -1017.79,-117.17 -697.79,-117.17 -577.79,-117.17 -537.79,-117.17 -1517.79,-77.17 -1037.79,-77.17 -997.79,-77.17 -677.79,-77.17 -637.79,-77.17 -597.79,-77.17 -557.79,-77.17 -1602.5,-45 -1057.79,-37.17 -1017.79,-37.17 -1377.79,202.83 -1337.79,202.83 -1297.79,202.83 -1257.79,202.83 -977.79,202.83 -937.79,202.83 -897.79,202.83 -857.79,202.83 -817.79,202.83 -777.79,202.83 -737.79,202.83 -697.79,202.83 -657.79,202.83 -1877.79,242.83 -1837.79,242.83 -1797.79,242.83 -1757.79,242.83 -1717.79,242.83 -1357.79,242.83 -1317.79,242.83 -1277.79,242.83 -917.79,242.83 -877.79,242.83 -837.79,242.83 -797.79,242.83 -757.79,242.83 -717.79,242.83 -677.79,242.83 -637.79,242.83 -1897.79,282.83 -1857.79,282.83 -1817.79,282.83 -1337.79,282.83 -1297.79,282.83 -1257.79,282.83 -897.79,282.83 -857.79,282.83 -817.79,282.83 -777.79,282.83 -737.79,282.83 -697.79,282.83 -657.79,282.83 -1365.13,295 -1317.79,322.83 -1277.79,322.83 -717.79,322.83 -677.79,322.83 -637.79,322.83 -1365.13,342.52 -1460,395 -1460,430 -1460,460 -697.79,522.83 -657.79,522.83 -677.79,562.83 -637.79,562.83 -1337.79,602.83 -697.79,602.83 -657.79,602.83 -1397.79,642.83 -677.79,642.83 -637.79,642.83 -737.79,682.83 -697.79,682.83 -657.79,682.83 -1477.79,722.83 -1397.79,722.83 -717.79,722.83 -677.79,722.83 -637.79,722.83
BEEP: R15.1 U1.110 | length 1614.1
  Top Layer w6: U1.110@884.8,612.2 884.8,572 889.58,572 889.58,571.71 976,571.71 976,572 ; 975.78,572.22 1020,616.44 v1(1020,618.16) v1@1020,619.88
  Bottom Layer w6: v1(1020,618.16) 1020,610.85 1052.13,578.72 1071.28,578.72 1105.36,544.64 1105.36,510 1030.36,435 1029.7,435 1020,425.3 1020,383.13 1037.13,366 1396,366 1490,460 1890,460 1940,410 1940,305 R15.1@1935,300
CMOS_PWR_BUS: C38.2 J1.17 J1.18 U5.5 | length 4.6
  Top Layer w10: C38.2@1221.77,336.77 C38.2@1225,340
CORE_PWR: C16.2 C17.2 C42.2 U1.31 U6.5 U7.1 | length 632
  Top Layer w10: C16.2@-190,-315.58 -190,-263.98 -170,-243.98 -135.87,-243.98 -135.06,-242.32 -100,-170 U6.5@-146.77,-97.6 -79.54,-97.6 ccw(c-79.54,-6.33) -65.18,-96.46 ; C17.2@-66.21,-143.79 -66.21,-97.49 -65.18,-96.46 ; U1.31@142.68,-51.18 32.52,-51.18 ccw(c32.52,-118.39) -15,-70.87 cw(c-79.54,-6.33) -65.18,-96.46
DIR_1: JP2.4 U1.100 | length 924
  Top Layer w6: U1.100@977.32,381.89 1041.89,381.89 v1(1045,385)
  Bottom Layer w6: v1(1045,385) 1045,389.64 1205.36,550 1480,550 1508.74,578.74 1758.86,578.74 JP2.4@1800,619.88
DIR_2: JP3.4 U1.101 | length 635.2
  Top Layer w6: U1.101@977.32,401.57 1021.57,401.57 1035,415 v1(1042.5,415)
  Bottom Layer w6: v1(1042.5,415) 1202.5,575 1470,575 JP3.4@1520,625
EXTAL: R1.2 U1.72 | length 70.5
  Top Layer w10: U1.72@904.49,-222.44 R1.2@975,-222.44